# EAGLE board Mk4 Final Panel 8up 2x4 (EAGLE 9.0.1), part 10 of 23 (continued)
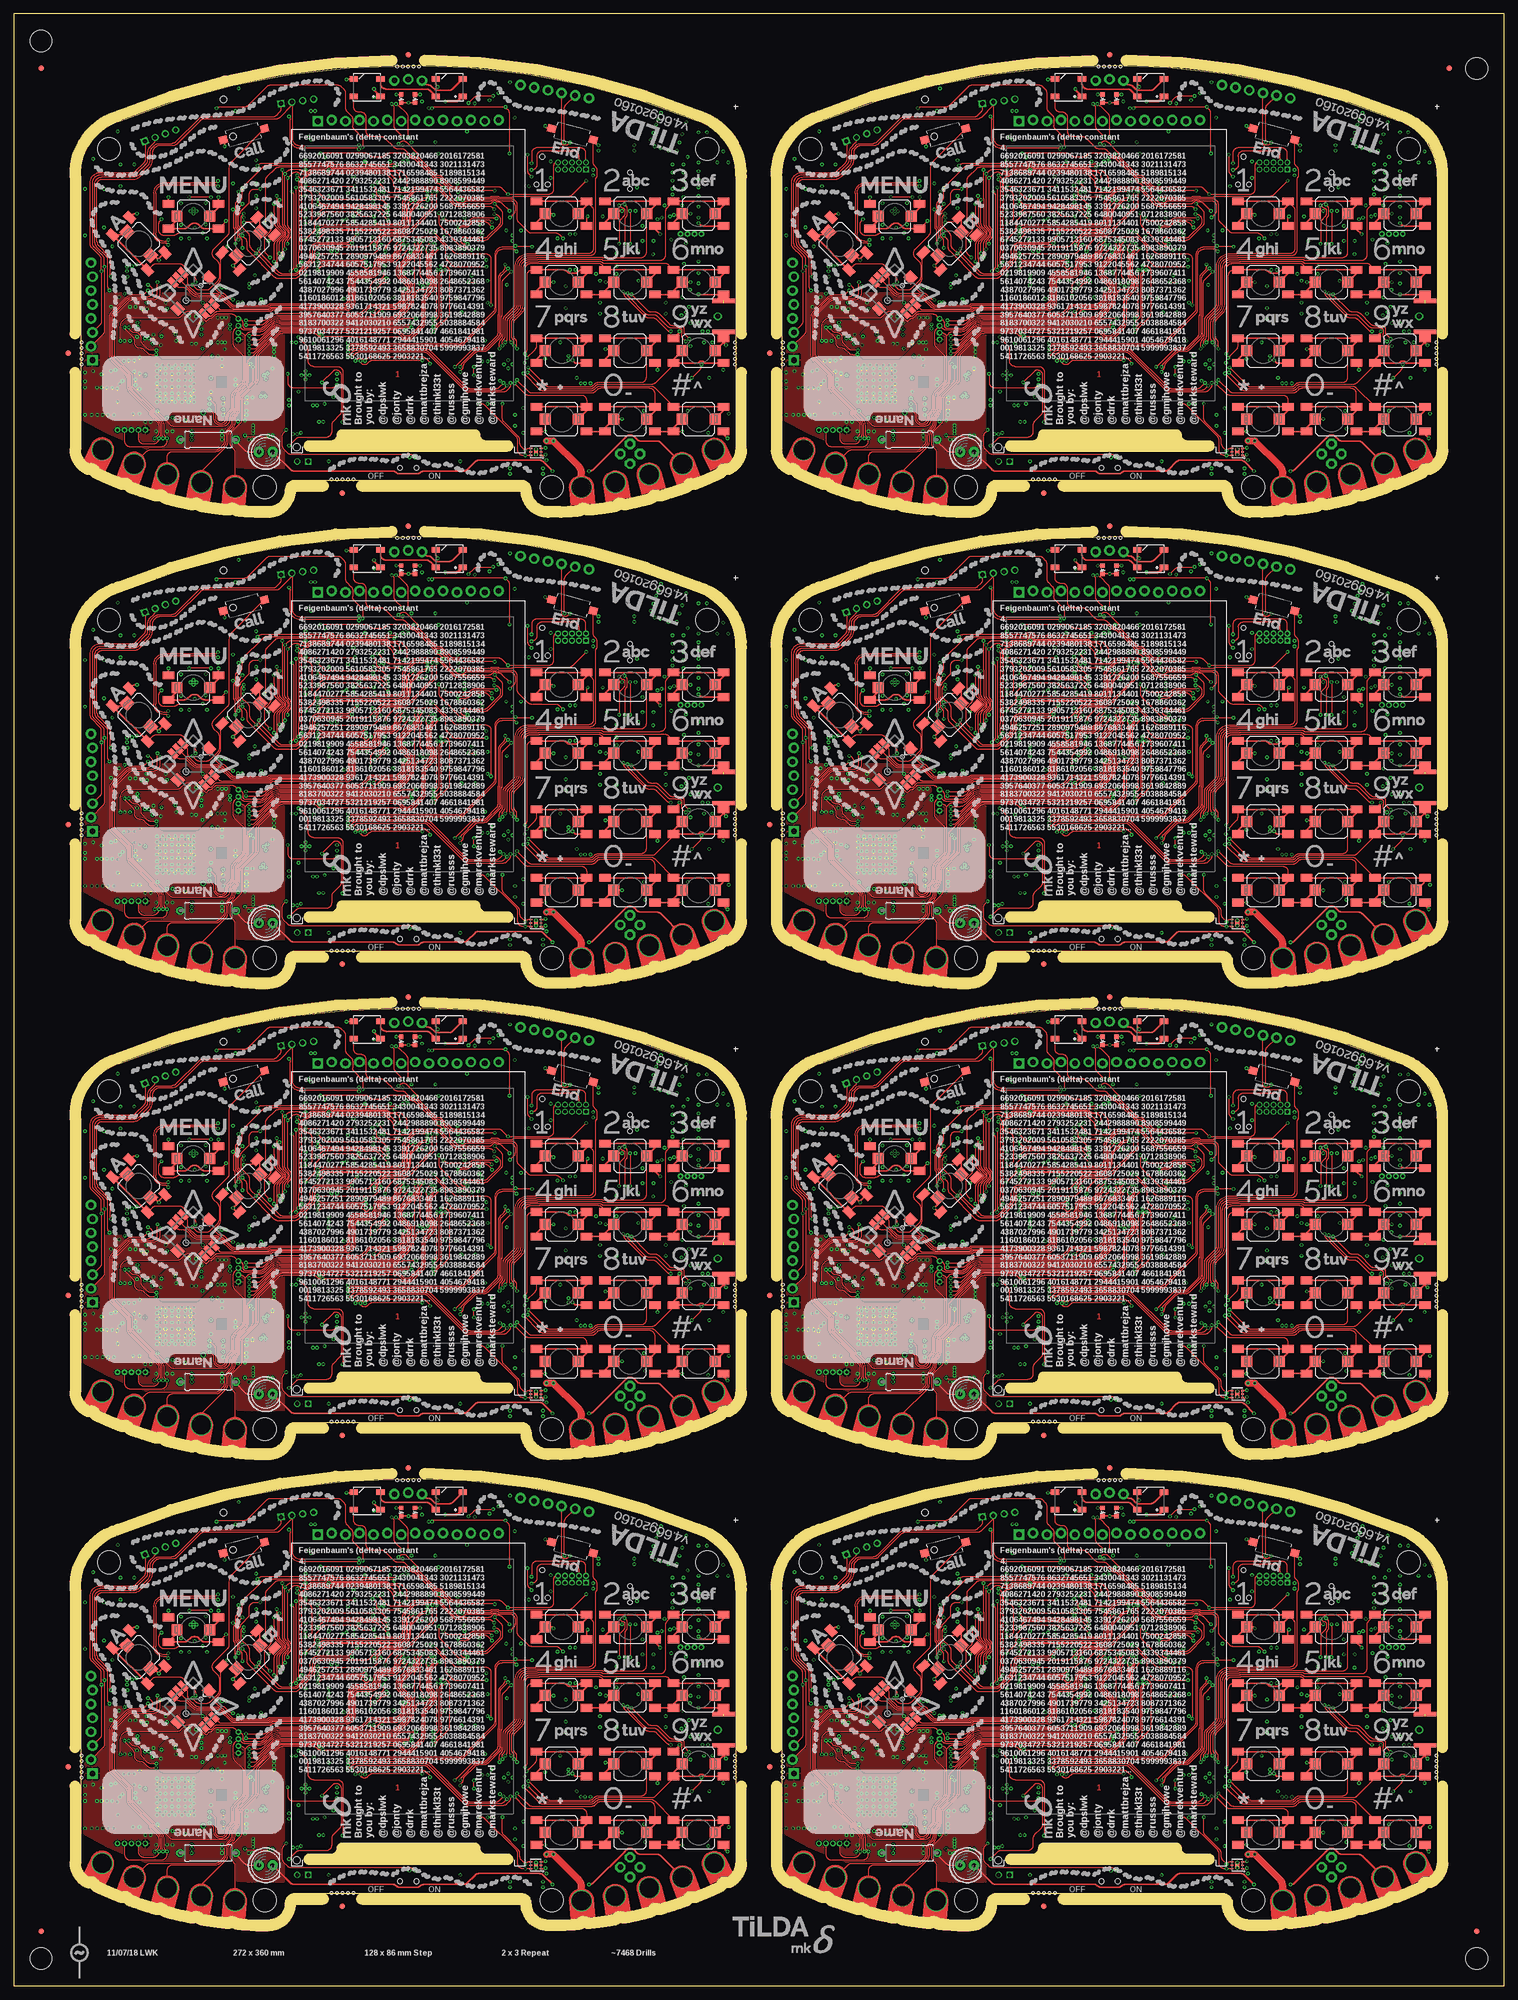
[diagram p0: board, top side]
## Tracks (layer width: path | path; a pad name or v marks a point on that pad's centre or on a via) (continued)
  Bottom 0.5: 120.91,278.91 PCB6.FET
FET_OUT7  (via drill 0.3)
  Top 0.25: LED47.K 178.45,276.82 arc45 179.16,276.52 197.11,276.52 arc-45 197.81,276.23 arc45 198.37,276 201.66,276 arc45 202.16,276.21 arc-45 202.87,276.5 210.09,276.5 arc45 210.79,276.79 212.21,278.21 arc-45 212.91,278.5 223.94,278.5 arc-45 224.64,278.21 v226.35,276.5 | v233,276.5 233.09,276.5 arc45 233.79,276.79 239.79,282.79 arc-90 241.21,282.79 241.71,282.29 arc45 242.41,282 245.4,282 arc-45 246.11,281.71 PCB7.FET
  Bottom 0.25: v226.35,276.5 v233,276.5
  Bottom 0.4: Q30.3 246.93,281.3 arc45 247.22,280.6 248.91,278.91
  Bottom 0.5: 248.91,278.91 PCB7.FET
FLASH_!CS  (via drill 0.3)
  Top 0.15: v25.75,24.5 26.23,24.98 arc45 26.52,25.69 26.52,26.73 arc45 26.23,27.44 24.9,28.77 arc-45 24.83,28.95 24.83,29.22 arc45 24.75,29.4 21.31,32.84 arc-45 20.8,34.08 20.8,35.29 arc45 20.51,35.99 18.01,38.49 arc-45 17.5,39.73 17.5,46.48 arc-45 18.01,47.71 20.46,50.16 arc-45 21.7,50.67 23.26,50.67 arc45 23.97,50.97 v24.5,51.5
  Bottom 0.15: JP1.3 21.48,24.5 arc90 22.48,23.5 24.34,23.5 arc45 25.04,23.79 v25.75,24.5 26.28,25.03 arc45 26.58,25.74 26.58,28.94 arc-45 26.63,29.08 26.72,29.16 arc45 26.77,29.3 26.77,29.66 26.75,29.68 IC15.14
  Bottom 0.2: R67.1 22.5,50.22 IC14.1 23.34,50.34 v24.5,51.5
FLASH_!CS1  (via drill 0.3)
  Top 0.15: v153.75,24.5 154.23,24.98 arc45 154.53,25.69 154.53,26.73 arc45 154.23,27.44 152.9,28.77 arc-45 152.82,28.95 152.82,29.22 arc45 152.75,29.4 149.31,32.84 arc-45 148.8,34.08 148.8,35.29 arc45 148.51,35.99 146.01,38.49 arc-45 145.5,39.73 145.5,46.48 arc-45 146.01,47.71 148.46,50.16 arc-45 149.7,50.67 151.26,50.67 arc45 151.97,50.97 v152.5,51.5
  Bottom 0.15: JP15.3 149.48,24.5 arc90 150.48,23.5 152.34,23.5 arc45 153.04,23.79 v153.75,24.5 154.28,25.03 arc45 154.57,25.74 154.57,28.94 arc-45 154.63,29.08 154.72,29.16 arc45 154.78,29.3 154.78,29.66 154.75,29.68 IC29.14
  Bottom 0.2: R145.1 150.5,50.22 IC30.1 151.34,50.34 v152.5,51.5
FLASH_!CS2  (via drill 0.3)
  Top 0.15: v25.75,110.5 26.23,110.98 arc45 26.52,111.69 26.52,112.73 arc45 26.23,113.44 24.9,114.78 arc-45 24.83,114.95 24.83,115.22 arc45 24.75,115.4 21.31,118.84 arc-45 20.8,120.08 20.8,121.29 arc45 20.51,121.99 18.01,124.49 arc-45 17.5,125.73 17.5,132.47 arc-45 18.01,133.71 20.46,136.16 arc-45 21.7,136.68 23.26,136.68 arc45 23.97,136.97 v24.5,137.5
  Bottom 0.15: JP24.3 21.48,110.5 arc90 22.48,109.5 24.34,109.5 arc45 25.04,109.79 v25.75,110.5 26.28,111.03 arc45 26.58,111.74 26.58,114.94 arc-45 26.63,115.08 26.72,115.16 arc45 26.77,115.3 26.77,115.66 26.75,115.68 IC47.14
  Bottom 0.2: R223.1 22.5,136.22 IC48.1 23.34,136.34 v24.5,137.5
FLASH_!CS3  (via drill 0.3)
  Top 0.15: v153.75,110.5 154.23,110.98 arc45 154.53,111.69 154.53,112.73 arc45 154.23,113.44 152.9,114.78 arc-45 152.82,114.95 152.82,115.22 arc45 152.75,115.4 149.31,118.84 arc-45 148.8,120.08 148.8,121.29 arc45 148.51,121.99 146.01,124.49 arc-45 145.5,125.73 145.5,132.47 arc-45 146.01,133.71 148.46,136.16 arc-45 149.7,136.68 151.26,136.68 arc45 151.97,136.97 v152.5,137.5
  Bottom 0.15: JP33.3 149.48,110.5 arc90 150.48,109.5 152.34,109.5 arc45 153.04,109.79 v153.75,110.5 154.28,111.03 arc45 154.57,111.74 154.57,114.94 arc-45 154.63,115.08 154.72,115.16 arc45 154.78,115.3 154.78,115.66 154.75,115.68 IC65.14
  Bottom 0.2: R301.1 150.5,136.22 IC66.1 151.34,136.34 v152.5,137.5
FLASH_!CS4  (via drill 0.3)
  Top 0.15: v25.75,196.5 26.23,196.98 arc45 26.52,197.69 26.52,198.73 arc45 26.23,199.44 24.9,200.78 arc-45 24.83,200.95 24.83,201.22 arc45 24.75,201.4 21.31,204.84 arc-45 20.8,206.07 20.8,207.29 arc45 20.51,207.99 18.01,210.49 arc-45 17.5,211.73 17.5,218.47 arc-45 18.01,219.71 20.46,222.16 arc-45 21.7,222.68 23.26,222.68 arc45 23.97,222.97 v24.5,223.5
  Bottom 0.15: JP42.3 21.48,196.5 arc90 22.48,195.5 24.34,195.5 arc45 25.04,195.79 v25.75,196.5 26.28,197.03 arc45 26.58,197.74 26.58,200.94 arc-45 26.63,201.08 26.72,201.16 arc45 26.77,201.3 26.77,201.66 26.75,201.68 IC83.14
  Bottom 0.2: R379.1 22.5,222.22 IC84.1 23.34,222.34 v24.5,223.5
FLASH_!CS5  (via drill 0.3)
  Top 0.15: v153.75,196.5 154.23,196.98 arc45 154.53,197.69 154.53,198.73 arc45 154.23,199.44 152.9,200.78 arc-45 152.82,200.95 152.82,201.22 arc45 152.75,201.4 149.31,204.84 arc-45 148.8,206.07 148.8,207.29 arc45 148.51,207.99 146.01,210.49 arc-45 145.5,211.73 145.5,218.47 arc-45 146.01,219.71 148.46,222.16 arc-45 149.7,222.68 151.26,222.68 arc45 151.97,222.97 v152.5,223.5
  Bottom 0.15: JP51.3 149.48,196.5 arc90 150.48,195.5 152.34,195.5 arc45 153.04,195.79 v153.75,196.5 154.28,197.03 arc45 154.57,197.74 154.57,200.94 arc-45 154.63,201.08 154.72,201.16 arc45 154.78,201.3 154.78,201.66 154.75,201.68 IC101.14
  Bottom 0.2: R457.1 150.5,222.22 IC102.1 151.34,222.34 v152.5,223.5
FLASH_!CS6  (via drill 0.3)
  Top 0.15: v25.75,282.5 26.23,282.98 arc45 26.52,283.69 26.52,284.73 arc45 26.23,285.44 24.9,286.77 arc-45 24.83,286.95 24.83,287.22 arc45 24.75,287.4 21.31,290.84 arc-45 20.8,292.07 20.8,293.29 arc45 20.51,293.99 18.01,296.49 arc-45 17.5,297.73 17.5,304.48 arc-45 18.01,305.71 20.46,308.16 arc-45 21.7,308.68 23.26,308.68 arc45 23.97,308.97 v24.5,309.5
  Bottom 0.15: JP60.3 21.48,282.5 arc90 22.48,281.5 24.34,281.5 arc45 25.04,281.79 v25.75,282.5 26.28,283.03 arc45 26.58,283.74 26.58,286.94 arc-45 26.63,287.08 26.72,287.16 arc45 26.77,287.3 26.77,287.66 26.75,287.68 IC119.14
  Bottom 0.2: R535.1 22.5,308.22 IC120.1 23.34,308.35 v24.5,309.5
FLASH_!CS7  (via drill 0.3)
  Top 0.15: v153.75,282.5 154.23,282.98 arc45 154.53,283.69 154.53,284.73 arc45 154.23,285.44 152.9,286.77 arc-45 152.82,286.95 152.82,287.22 arc45 152.75,287.4 149.31,290.84 arc-45 148.8,292.07 148.8,293.29 arc45 148.51,293.99 146.01,296.49 arc-45 145.5,297.73 145.5,304.48 arc-45 146.01,305.71 148.46,308.16 arc-45 149.7,308.68 151.26,308.68 arc45 151.97,308.97 v152.5,309.5
  Bottom 0.15: JP69.3 149.48,282.5 arc90 150.48,281.5 152.34,281.5 arc45 153.04,281.79 v153.75,282.5 154.28,283.03 arc45 154.57,283.74 154.57,286.94 arc-45 154.63,287.08 154.72,287.16 arc45 154.78,287.3 154.78,287.66 154.75,287.68 IC137.14
  Bottom 0.2: R613.1 150.5,308.22 IC138.1 151.34,308.35 v152.5,309.5
FLASH_!HOLD
  Bottom 0.2: R9.2 81.31,55.75 IC6.7
FLASH_!HOLD1
  Bottom 0.2: R93.2 209.31,55.75 IC22.7
FLASH_!HOLD2
  Bottom 0.2: R171.2 81.31,141.75 IC40.7
FLASH_!HOLD3
  Bottom 0.2: R249.2 209.31,141.75 IC58.7
FLASH_!HOLD4
  Bottom 0.2: R327.2 81.31,227.75 IC76.7
FLASH_!HOLD5
  Bottom 0.2: R405.2 209.31,227.75 IC94.7
FLASH_!HOLD6
  Bottom 0.2: R483.2 81.31,313.75 IC112.7
FLASH_!HOLD7
  Bottom 0.2: R561.2 209.31,313.75 IC130.7
FLASH_!WP
  Bottom 0.2: IC6.3 89.73,54.52 R10.2
FLASH_!WP1
  Bottom 0.2: IC22.3 217.74,54.52 R94.2
FLASH_!WP2
  Bottom 0.2: IC40.3 89.73,140.51 R172.2
FLASH_!WP3
  Bottom 0.2: IC58.3 217.74,140.51 R250.2
FLASH_!WP4
  Bottom 0.2: IC76.3 89.73,226.51 R328.2
FLASH_!WP5
  Bottom 0.2: IC94.3 217.74,226.51 R406.2
FLASH_!WP6
  Bottom 0.2: IC112.3 89.73,312.51 R484.2
FLASH_!WP7
  Bottom 0.2: IC130.3 217.74,312.51 R562.2
FLASH_CLK  (via drill 0.3)
  Top 0.15: v26.75,52.25 26.75,51.02 arc-90 25.5,49.77 21.76,49.77 arc45 21.05,49.48 18.69,47.12 arc45 18.4,46.41 18.4,39.81 arc45 18.69,39.11 21.49,36.31 arc-45 21.7,35.8 21.7,34.14 arc45 21.99,33.43 25.65,29.77 arc-45 25.73,29.59 25.73,29.32 arc45 25.8,29.15 26.96,27.98 arc-45 27.48,26.75 27.48,25.44 arc45 27.77,24.73 v28,24.5 28,24 arc-90 27,23 21.21,23 arc-90 20.21,24 JP1.4
  Bottom 0.15: IC15.11 28.25,29.84 arc-45 27.96,29.13 27.77,28.94 arc45 27.48,28.23 27.48,25.44 arc45 27.77,24.73 v28,24.5
  Bottom 0.2: IC14.6 27.8,52.88 arc45 27.09,52.59 v26.75,52.25
FLASH_CLK1  (via drill 0.3)
  Top 0.15: v154.75,52.25 154.75,51.02 arc-90 153.5,49.77 149.76,49.77 arc45 149.06,49.48 146.69,47.12 arc45 146.4,46.41 146.4,39.81 arc45 146.69,39.11 149.49,36.31 arc-45 149.7,35.8 149.7,34.14 arc45 149.99,33.43 153.65,29.77 arc-45 153.72,29.59 153.72,29.32 arc45 153.8,29.15 154.96,27.98 arc-45 155.47,26.75 155.47,25.44 arc45 155.77,24.73 v156,24.5 156,24 arc-90 155,23 149.21,23 arc-90 148.21,24 JP15.4
  Bottom 0.15: IC29.11 156.25,29.84 arc-45 155.96,29.13 155.77,28.94 arc45 155.47,28.23 155.47,25.44 arc45 155.77,24.73 v156,24.5
  Bottom 0.2: IC30.6 155.8,52.88 arc45 155.09,52.59 v154.75,52.25
FLASH_CLK2  (via drill 0.3)
  Top 0.15: v26.75,138.25 26.75,137.03 arc-90 25.5,135.78 21.76,135.78 arc45 21.05,135.48 18.69,133.12 arc45 18.4,132.41 18.4,125.81 arc45 18.69,125.11 21.49,122.31 arc-45 21.7,121.8 21.7,120.14 arc45 21.99,119.43 25.65,115.77 arc-45 25.73,115.59 25.73,115.33 arc45 25.8,115.15 26.96,113.98 arc-45 27.48,112.75 27.48,111.44 arc45 27.77,110.73 v28,110.5 28,110 arc-90 27,109 21.21,109 arc-90 20.21,110 JP24.4
  Bottom 0.15: IC47.11 28.25,115.84 arc-45 27.96,115.13 27.77,114.94 arc45 27.48,114.23 27.48,111.44 arc45 27.77,110.73 v28,110.5
  Bottom 0.2: IC48.6 27.8,138.88 arc45 27.09,138.59 v26.75,138.25
FLASH_CLK3  (via drill 0.3)
  Top 0.15: v154.75,138.25 154.75,137.03 arc-90 153.5,135.78 149.76,135.78 arc45 149.06,135.48 146.69,133.12 arc45 146.4,132.41 146.4,125.81 arc45 146.69,125.11 149.49,122.31 arc-45 149.7,121.8 149.7,120.14 arc45 149.99,119.43 153.65,115.77 arc-45 153.72,115.59 153.72,115.33 arc45 153.8,115.15 154.96,113.98 arc-45 155.47,112.75 155.47,111.44 arc45 155.77,110.73 v156,110.5 156,110 arc-90 155,109 149.21,109 arc-90 148.21,110 JP33.4
  Bottom 0.15: IC65.11 156.25,115.84 arc-45 155.96,115.13 155.77,114.94 arc45 155.47,114.23 155.47,111.44 arc45 155.77,110.73 v156,110.5
  Bottom 0.2: IC66.6 155.8,138.88 arc45 155.09,138.59 v154.75,138.25
FLASH_CLK4  (via drill 0.3)
  Top 0.15: v26.75,224.25 26.75,223.03 arc-90 25.5,221.78 21.76,221.78 arc45 21.05,221.48 18.69,219.12 arc45 18.4,218.41 18.4,211.81 arc45 18.69,211.11 21.49,208.31 arc-45 21.7,207.8 21.7,206.14 arc45 21.99,205.43 25.65,201.77 arc-45 25.73,201.59 25.73,201.32 arc45 25.8,201.15 26.96,199.98 arc-45 27.48,198.75 27.48,197.44 arc45 27.77,196.73 v28,196.5 28,196 arc-90 27,195 21.21,195 arc-90 20.21,196 JP42.4
  Bottom 0.15: IC83.11 28.25,201.84 arc-45 27.96,201.13 27.77,200.94 arc45 27.48,200.23 27.48,197.44 arc45 27.77,196.73 v28,196.5
  Bottom 0.2: IC84.6 27.8,224.88 arc45 27.09,224.59 v26.75,224.25
FLASH_CLK5  (via drill 0.3)
  Top 0.15: v154.75,224.25 154.75,223.03 arc-90 153.5,221.78 149.76,221.78 arc45 149.06,221.48 146.69,219.12 arc45 146.4,218.41 146.4,211.81 arc45 146.69,211.11 149.49,208.31 arc-45 149.7,207.8 149.7,206.14 arc45 149.99,205.43 153.65,201.77 arc-45 153.72,201.59 153.72,201.32 arc45 153.8,201.15 154.96,199.98 arc-45 155.47,198.75 155.47,197.44 arc45 155.77,196.73 v156,196.5 156,196 arc-90 155,195 149.21,195 arc-90 148.21,196 JP51.4
  Bottom 0.15: IC101.11 156.25,201.84 arc-45 155.96,201.13 155.77,200.94 arc45 155.47,200.23 155.47,197.44 arc45 155.77,196.73 v156,196.5
  Bottom 0.2: IC102.6 155.8,224.88 arc45 155.09,224.59 v154.75,224.25
FLASH_CLK6  (via drill 0.3)
  Top 0.15: v26.75,310.25 26.75,309.02 arc-90 25.5,307.77 21.76,307.77 arc45 21.05,307.48 18.69,305.12 arc45 18.4,304.41 18.4,297.81 arc45 18.69,297.11 21.49,294.31 arc-45 21.7,293.8 21.7,292.14 arc45 21.99,291.43 25.65,287.77 arc-45 25.73,287.59 25.73,287.32 arc45 25.8,287.15 26.96,285.98 arc-45 27.48,284.75 27.48,283.44 arc45 27.77,282.73 v28,282.5 28,282 arc-90 27,281 21.21,281 arc-90 20.21,282 JP60.4
  Bottom 0.15: IC119.11 28.25,287.84 arc-45 27.96,287.13 27.77,286.94 arc45 27.48,286.23 27.48,283.44 arc45 27.77,282.73 v28,282.5
  Bottom 0.2: IC120.6 27.8,310.88 arc45 27.09,310.59 v26.75,310.25
FLASH_CLK7  (via drill 0.3)
  Top 0.15: v154.75,310.25 154.75,309.02 arc-90 153.5,307.77 149.76,307.77 arc45 149.06,307.48 146.69,305.12 arc45 146.4,304.41 146.4,297.81 arc45 146.69,297.11 149.49,294.31 arc-45 149.7,293.8 149.7,292.14 arc45 149.99,291.43 153.65,287.77 arc-45 153.72,287.59 153.72,287.32 arc45 153.8,287.15 154.96,285.98 arc-45 155.47,284.75 155.47,283.44 arc45 155.77,282.73 v156,282.5 156,282 arc-90 155,281 149.21,281 arc-90 148.21,282 JP69.4
  Bottom 0.15: IC137.11 156.25,287.84 arc-45 155.96,287.13 155.77,286.94 arc45 155.47,286.23 155.47,283.44 arc45 155.77,282.73 v156,282.5
  Bottom 0.2: IC138.6 155.8,310.88 arc45 155.09,310.59 v154.75,310.25
FLASH_MISO  (via drill 0.3)
  Top 0.15: v24.5,52.5 arc-45 24.84,52.36 25.11,52.09 arc-45 25.4,51.39 25.4,51.38 arc-90 24.4,50.38 21.72,50.38 arc45 20.66,49.94 18.24,47.52 arc45 17.8,46.45 17.8,39.75 arc45 18.24,38.69 20.73,36.19 arc-45 21.1,35.31 21.1,34.1 arc45 21.54,33.03 25.05,29.52 arc-45 25.12,29.35 25.12,29.08 arc45 25.2,28.9 26.46,27.64 arc-45 26.83,26.76 26.83,25.24 arc-45 26.53,24.53 v26.5,24.5 arc-90 25.5,23.5 23.75,23.5 arc-90 22.75,24.5 JP1.2
  Bottom 0.15: 26.5,24.6 v26.5,24.5 26.5,24.71 arc-45 26.58,24.91 arc45 26.88,25.62 26.88,28.48 arc-45 27.17,29.19 arc45 27.25,29.39 IC15.13
  Bottom 0.2: IC14.2 23.2,51.62 arc45 23.91,51.91 v24.5,52.5
FLASH_MISO1  (via drill 0.3)
  Top 0.15: v152.5,52.5 arc-45 152.84,52.36 153.11,52.09 arc-45 153.4,51.39 153.4,51.38 arc-90 152.4,50.38 149.72,50.38 arc45 148.66,49.94 146.24,47.52 arc45 145.8,46.45 145.8,39.75 arc45 146.24,38.69 148.73,36.19 arc-45 149.1,35.31 149.1,34.1 arc45 149.54,33.03 153.05,29.52 arc-45 153.12,29.35 153.12,29.08 arc45 153.2,28.9 154.46,27.64 arc-45 154.82,26.76 154.82,25.24 arc-45 154.53,24.53 v154.5,24.5 arc-90 153.5,23.5 151.75,23.5 arc-90 150.75,24.5 JP15.2
  Bottom 0.15: 154.5,24.6 v154.5,24.5 154.5,24.71 arc-45 154.58,24.91 arc45 154.88,25.62 154.88,28.48 arc-45 155.17,29.19 arc45 155.25,29.39 IC29.13
  Bottom 0.2: IC30.2 151.2,51.62 arc45 151.91,51.91 v152.5,52.5
FLASH_MISO2  (via drill 0.3)
  Top 0.15: v24.5,138.5 arc-45 24.84,138.36 25.11,138.09 arc-45 25.4,137.39 25.4,137.38 arc-90 24.4,136.38 21.72,136.38 arc45 20.66,135.94 18.24,133.51 arc45 17.8,132.45 17.8,125.75 arc45 18.24,124.69 20.73,122.19 arc-45 21.1,121.31 21.1,120.1 arc45 21.54,119.03 25.05,115.52 arc-45 25.12,115.35 25.12,115.08 arc45 25.2,114.9 26.46,113.64 arc-45 26.83,112.75 26.83,111.24 arc-45 26.53,110.53 v26.5,110.5 arc-90 25.5,109.5 23.75,109.5 arc-90 22.75,110.5 JP24.2
  Bottom 0.15: 26.5,110.6 v26.5,110.5 26.5,110.71 arc-45 26.58,110.91 arc45 26.88,111.61 26.88,114.48 arc-45 27.17,115.19 arc45 27.25,115.39 IC47.13
  Bottom 0.2: IC48.2 23.2,137.62 arc45 23.91,137.91 v24.5,138.5
FLASH_MISO3  (via drill 0.3)
  Top 0.15: v152.5,138.5 arc-45 152.84,138.36 153.11,138.09 arc-45 153.4,137.39 153.4,137.38 arc-90 152.4,136.38 149.72,136.38 arc45 148.66,135.94 146.24,133.51 arc45 145.8,132.45 145.8,125.75 arc45 146.24,124.69 148.73,122.19 arc-45 149.1,121.31 149.1,120.1 arc45 149.54,119.03 153.05,115.52 arc-45 153.12,115.35 153.12,115.08 arc45 153.2,114.9 154.46,113.64 arc-45 154.82,112.75 154.82,111.24 arc-45 154.53,110.53 v154.5,110.5 arc-90 153.5,109.5 151.75,109.5 arc-90 150.75,110.5 JP33.2
  Bottom 0.15: 154.5,110.6 v154.5,110.5 154.5,110.71 arc-45 154.58,110.91 arc45 154.88,111.61 154.88,114.48 arc-45 155.17,115.19 arc45 155.25,115.39 IC65.13
  Bottom 0.2: IC66.2 151.2,137.62 arc45 151.91,137.91 v152.5,138.5
FLASH_MISO4  (via drill 0.3)
  Top 0.15: v24.5,224.5 arc-45 24.84,224.36 25.11,224.09 arc-45 25.4,223.39 25.4,223.38 arc-90 24.4,222.38 21.72,222.38 arc45 20.66,221.94 18.24,219.51 arc45 17.8,218.45 17.8,211.75 arc45 18.24,210.69 20.73,208.19 arc-45 21.1,207.31 21.1,206.1 arc45 21.54,205.03 25.05,201.52 arc-45 25.12,201.35 25.12,201.08 arc45 25.2,200.9 26.46,199.64 arc-45 26.83,198.75 26.83,197.24 arc-45 26.53,196.53 v26.5,196.5 arc-90 25.5,195.5 23.75,195.5 arc-90 22.75,196.5 JP42.2
  Bottom 0.15: 26.5,196.6 v26.5,196.5 26.5,196.71 arc-45 26.58,196.91 arc45 26.88,197.62 26.88,200.48 arc-45 27.17,201.19 arc45 27.25,201.39 IC83.13
  Bottom 0.2: IC84.2 23.2,223.62 arc45 23.91,223.91 v24.5,224.5
FLASH_MISO5  (via drill 0.3)
  Top 0.15: v152.5,224.5 arc-45 152.84,224.36 153.11,224.09 arc-45 153.4,223.39 153.4,223.38 arc-90 152.4,222.38 149.72,222.38 arc45 148.66,221.94 146.24,219.51 arc45 145.8,218.45 145.8,211.75 arc45 146.24,210.69 148.73,208.19 arc-45 149.1,207.31 149.1,206.1 arc45 149.54,205.03 153.05,201.52 arc-45 153.12,201.35 153.12,201.08 arc45 153.2,200.9 154.46,199.64 arc-45 154.82,198.75 154.82,197.24 arc-45 154.53,196.53 v154.5,196.5 arc-90 153.5,195.5 151.75,195.5 arc-90 150.75,196.5 JP51.2
  Bottom 0.15: 154.5,196.6 v154.5,196.5 154.5,196.71 arc-45 154.58,196.91 arc45 154.88,197.62 154.88,200.48 arc-45 155.17,201.19 arc45 155.25,201.39 IC101.13
  Bottom 0.2: IC102.2 151.2,223.62 arc45 151.91,223.91 v152.5,224.5
FLASH_MISO6  (via drill 0.3)
  Top 0.15: v24.5,310.5 arc-45 24.84,310.36 25.11,310.09 arc-45 25.4,309.39 25.4,309.38 arc-90 24.4,308.38 21.72,308.38 arc45 20.66,307.94 18.24,305.51 arc45 17.8,304.45 17.8,297.75 arc45 18.24,296.69 20.73,294.19 arc-45 21.1,293.31 21.1,292.1 arc45 21.54,291.04 25.05,287.52 arc-45 25.12,287.35 25.12,287.08 arc45 25.2,286.9 26.46,285.64 arc-45 26.83,284.75 26.83,283.24 arc-45 26.53,282.53 v26.5,282.5 arc-90 25.5,281.5 23.75,281.5 arc-90 22.75,282.5 JP60.2
  Bottom 0.15: 26.5,282.6 v26.5,282.5 26.5,282.71 arc-45 26.58,282.91 arc45 26.88,283.62 26.88,286.48 arc-45 27.17,287.19 arc45 27.25,287.39 IC119.13
  Bottom 0.2: IC120.2 23.2,309.62 arc45 23.91,309.91 v24.5,310.5
FLASH_MISO7  (via drill 0.3)
  Top 0.15: v152.5,310.5 arc-45 152.84,310.36 153.11,310.09 arc-45 153.4,309.39 153.4,309.38 arc-90 152.4,308.38 149.72,308.38 arc45 148.66,307.94 146.24,305.51 arc45 145.8,304.45 145.8,297.75 arc45 146.24,296.69 148.73,294.19 arc-45 149.1,293.31 149.1,292.1 arc45 149.54,291.04 153.05,287.52 arc-45 153.12,287.35 153.12,287.08 arc45 153.2,286.9 154.46,285.64 arc-45 154.82,284.75 154.82,283.24 arc-45 154.53,282.53 v154.5,282.5 arc-90 153.5,281.5 151.75,281.5 arc-90 150.75,282.5 JP69.2
  Bottom 0.15: 154.5,282.6 v154.5,282.5 154.5,282.71 arc-45 154.58,282.91 arc45 154.88,283.62 154.88,286.48 arc-45 155.17,287.19 arc45 155.25,287.39 IC137.13
  Bottom 0.2: IC138.2 151.2,309.62 arc45 151.91,309.91 v152.5,310.5
FLASH_MOSI  (via drill 0.3)
  Top 0.15: v27.25,24.5 arc-45 27.12,24.8 27.12,26.78 arc45 26.69,27.84 25.5,29.02 arc-45 25.42,29.2 25.42,29.47 arc45 25.35,29.65 21.77,33.23 arc-45 21.4,34.12 21.4,35.33 arc45 20.96,36.39 18.47,38.88 arc-45 18.1,39.77 18.1,46.43 arc-45 18.47,47.32 20.86,49.71 arc-45 21.74,50.08 25.2,50.08 arc90 26.2,51.08 26.2,52.95 v26.25,53
  Bottom 0.15: 27.17,24.57 v27.25,24.5 | JP1.5 18.94,25.56 21.21,23.29 arc45 21.91,23 26.02,23 arc90 27.02,24 27.02,24.21 arc-45 27.17,24.57 | IC15.12 27.75,29.75 arc-45 27.47,29.07 arc45 27.17,28.36 27.17,24.57
  Bottom 0.2: IC14.5 27.82,54.16 arc45 27.11,53.86 v26.25,53
FLASH_MOSI1  (via drill 0.3)
  Top 0.15: v155.25,24.5 arc-45 155.12,24.8 155.12,26.78 arc45 154.69,27.84 153.5,29.02 arc-45 153.43,29.2 153.43,29.47 arc45 153.35,29.65 149.77,33.23 arc-45 149.4,34.12 149.4,35.33 arc45 148.96,36.39 146.47,38.88 arc-45 146.1,39.77 146.1,46.43 arc-45 146.47,47.32 148.86,49.71 arc-45 149.74,50.08 153.2,50.08 arc90 154.2,51.08 154.2,52.95 v154.25,53
  Bottom 0.15: 155.18,24.57 v155.25,24.5 | JP15.5 146.94,25.56 149.21,23.29 arc45 149.91,23 154.03,23 arc90 155.03,24 155.03,24.21 arc-45 155.18,24.57 | IC29.12 155.75,29.75 arc-45 155.47,29.07 arc45 155.18,28.36 155.18,24.57
  Bottom 0.2: IC30.5 155.82,54.16 arc45 155.11,53.86 v154.25,53
FLASH_MOSI2  (via drill 0.3)
  Top 0.15: v27.25,110.5 arc-45 27.12,110.8 27.12,112.78 arc45 26.69,113.84 25.5,115.02 arc-45 25.42,115.2 25.42,115.47 arc45 25.35,115.65 21.77,119.23 arc-45 21.4,120.12 21.4,121.33 arc45 20.96,122.39 18.47,124.88 arc-45 18.1,125.77 18.1,132.43 arc-45 18.47,133.32 20.86,135.71 arc-45 21.74,136.07 25.2,136.07 arc90 26.2,137.07 26.2,138.95 v26.25,139
  Bottom 0.15: 27.17,110.58 v27.25,110.5 | JP24.5 18.94,111.56 21.21,109.29 arc45 21.91,109 26.02,109 arc90 27.02,110 27.02,110.21 arc-45 27.17,110.58 | IC47.12 27.75,115.75 arc-45 27.47,115.07 arc45 27.17,114.36 27.17,110.58
  Bottom 0.2: IC48.5 27.82,140.16 arc45 27.11,139.86 v26.25,139
FLASH_MOSI3  (via drill 0.3)
  Top 0.15: v155.25,110.5 arc-45 155.12,110.8 155.12,112.78 arc45 154.69,113.84 153.5,115.02 arc-45 153.43,115.2 153.43,115.47 arc45 153.35,115.65 149.77,119.23 arc-45 149.4,120.12 149.4,121.33 arc45 148.96,122.39 146.47,124.88 arc-45 146.1,125.77 146.1,132.43 arc-45 146.47,133.32 148.86,135.71 arc-45 149.74,136.07 153.2,136.07 arc90 154.2,137.07 154.2,138.95 v154.25,139
  Bottom 0.15: 155.18,110.58 v155.25,110.5 | JP33.5 146.94,111.56 149.21,109.29 arc45 149.91,109 154.03,109 arc90 155.03,110 155.03,110.21 arc-45 155.18,110.58 | IC65.12 155.75,115.75 arc-45 155.47,115.07 arc45 155.18,114.36 155.18,110.58
  Bottom 0.2: IC66.5 155.82,140.16 arc45 155.11,139.86 v154.25,139
FLASH_MOSI4  (via drill 0.3)
  Top 0.15: v27.25,196.5 arc-45 27.12,196.8 27.12,198.78 arc45 26.69,199.84 25.5,201.02 arc-45 25.42,201.2 25.42,201.47 arc45 25.35,201.65 21.77,205.23 arc-45 21.4,206.12 21.4,207.33 arc45 20.96,208.39 18.47,210.88 arc-45 18.1,211.77 18.1,218.43 arc-45 18.47,219.32 20.86,221.71 arc-45 21.74,222.07 25.2,222.07 arc90 26.2,223.07 26.2,224.95 v26.25,225
  Bottom 0.15: 27.17,196.57 v27.25,196.5 | JP42.5 18.94,197.56 21.21,195.29 arc45 21.91,195 26.02,195 arc90 27.02,196 27.02,196.21 arc-45 27.17,196.57 | IC83.12 27.75,201.75 arc-45 27.47,201.06 arc45 27.17,200.36 27.17,196.57
  Bottom 0.2: IC84.5 27.82,226.16 arc45 27.11,225.86 v26.25,225
FLASH_MOSI5  (via drill 0.3)
  Top 0.15: v155.25,196.5 arc-45 155.12,196.8 155.12,198.78 arc45 154.69,199.84 153.5,201.02 arc-45 153.43,201.2 153.43,201.47 arc45 153.35,201.65 149.77,205.23 arc-45 149.4,206.12 149.4,207.33 arc45 148.96,208.39 146.47,210.88 arc-45 146.1,211.77 146.1,218.43 arc-45 146.47,219.32 148.86,221.71 arc-45 149.74,222.07 153.2,222.07 arc90 154.2,223.07 154.2,224.95 v154.25,225
  Bottom 0.15: 155.18,196.57 v155.25,196.5 | JP51.5 146.94,197.56 149.21,195.29 arc45 149.91,195 154.03,195 arc90 155.03,196 155.03,196.21 arc-45 155.18,196.57 | IC101.12 155.75,201.75 arc-45 155.47,201.06 arc45 155.18,200.36 155.18,196.57
  Bottom 0.2: IC102.5 155.82,226.16 arc45 155.11,225.86 v154.25,225
FLASH_MOSI6  (via drill 0.3)
  Top 0.15: v27.25,282.5 arc-45 27.12,282.8 27.12,284.78 arc45 26.69,285.84 25.5,287.02 arc-45 25.42,287.2 25.42,287.47 arc45 25.35,287.65 21.77,291.23 arc-45 21.4,292.12 21.4,293.33 arc45 20.96,294.39 18.47,296.88 arc-45 18.1,297.77 18.1,304.43 arc-45 18.47,305.32 20.86,307.71 arc-45 21.74,308.07 25.2,308.07 arc90 26.2,309.07 26.2,310.95 v26.25,311
  Bottom 0.15: 27.17,282.57 v27.25,282.5 | JP60.5 18.94,283.56 21.21,281.29 arc45 21.91,281 26.02,281 arc90 27.02,282 27.02,282.21 arc-45 27.17,282.57 | IC119.12 27.75,287.75 arc-45 27.47,287.06 arc45 27.17,286.36 27.17,282.57
  Bottom 0.2: IC120.5 27.82,312.15 arc45 27.11,311.86 v26.25,311
FLASH_MOSI7  (via drill 0.3)
  Top 0.15: v155.25,282.5 arc-45 155.12,282.8 155.12,284.78 arc45 154.69,285.84 153.5,287.02 arc-45 153.43,287.2 153.43,287.47 arc45 153.35,287.65 149.77,291.23 arc-45 149.4,292.12 149.4,293.33 arc45 148.96,294.39 146.47,296.88 arc-45 146.1,297.77 146.1,304.43 arc-45 146.47,305.32 148.86,307.71 arc-45 149.74,308.07 153.2,308.07 arc90 154.2,309.07 154.2,310.95 v154.25,311
  Bottom 0.15: 155.18,282.57 v155.25,282.5 | JP69.5 146.94,283.56 149.21,281.29 arc45 149.91,281 154.03,281 arc90 155.03,282 155.03,282.21 arc-45 155.18,282.57 | IC137.12 155.75,287.75 arc-45 155.47,287.06 arc45 155.18,286.36 155.18,282.57
  Bottom 0.2: IC138.5 155.82,312.15 arc45 155.11,311.86 v154.25,311
FLASH_PU
  Bottom 0.15: IC14.3 24,52.88 arc45 24.14,52.94 24.17,52.97 arc-45 24.31,53.02 24.51,53.02 arc-45 24.86,52.88 25.84,51.91 arc45 26.54,51.62 IC14.7
  Bottom 0.2: IC14.3 20.63,52.88 R66.2
FLASH_PU1
  Bottom 0.15: IC30.3 152,52.88 arc45 152.14,52.94 152.17,52.97 arc-45 152.31,53.02 152.51,53.02 arc-45 152.86,52.88 153.83,51.91 arc45 154.54,51.62 IC30.7
  Bottom 0.2: IC30.3 148.63,52.88 R144.2
FLASH_PU2
  Bottom 0.15: IC48.3 24,138.88 arc45 24.14,138.94 24.17,138.97 arc-45 24.31,139.03 24.51,139.03 arc-45 24.86,138.88 25.84,137.91 arc45 26.54,137.62 IC48.7
  Bottom 0.2: IC48.3 20.63,138.88 R222.2
FLASH_PU3
  Bottom 0.15: IC66.3 152,138.88 arc45 152.14,138.94 152.17,138.97 arc-45 152.31,139.03 152.51,139.03 arc-45 152.86,138.88 153.83,137.91 arc45 154.54,137.62 IC66.7
  Bottom 0.2: IC66.3 148.63,138.88 R300.2
FLASH_PU4
  Bottom 0.15: IC84.3 24,224.88 arc45 24.14,224.94 24.17,224.97 arc-45 24.31,225.03 24.51,225.03 arc-45 24.86,224.88 25.84,223.91 arc45 26.54,223.62 IC84.7
  Bottom 0.2: IC84.3 20.63,224.88 R378.2
FLASH_PU5
  Bottom 0.15: IC102.3 152,224.88 arc45 152.14,224.94 152.17,224.97 arc-45 152.31,225.03 152.51,225.03 arc-45 152.86,224.88 153.83,223.91 arc45 154.54,223.62 IC102.7
  Bottom 0.2: IC102.3 148.63,224.88 R456.2
FLASH_PU6
  Bottom 0.15: IC120.3 24,310.88 arc45 24.14,310.94 24.17,310.97 arc-45 24.31,311.02 24.51,311.02 arc-45 24.86,310.88 25.84,309.91 arc45 26.54,309.62 IC120.7
  Bottom 0.2: IC120.3 20.63,310.88 R534.2
FLASH_PU7
  Bottom 0.15: IC138.3 152,310.88 arc45 152.14,310.94 152.17,310.97 arc-45 152.31,311.02 152.51,311.02 arc-45 152.86,310.88 153.83,309.91 arc45 154.54,309.62 IC138.7
  Bottom 0.2: IC138.3 148.63,310.88 R612.2
GMS_ANT_L